# Altium PCB proc.PcbDoc
Units mm, origin at the board's own origin, x right, y up, seen from the top; angles counter-clockwise.
Board outline 21.5 x 24 mm, 4 copper layers (Top Layer, Layer 1, Layer 2, Bottom Layer), stack 0.603 mm thick; 32 components, 46 nets, 182 pads, 102 vias.
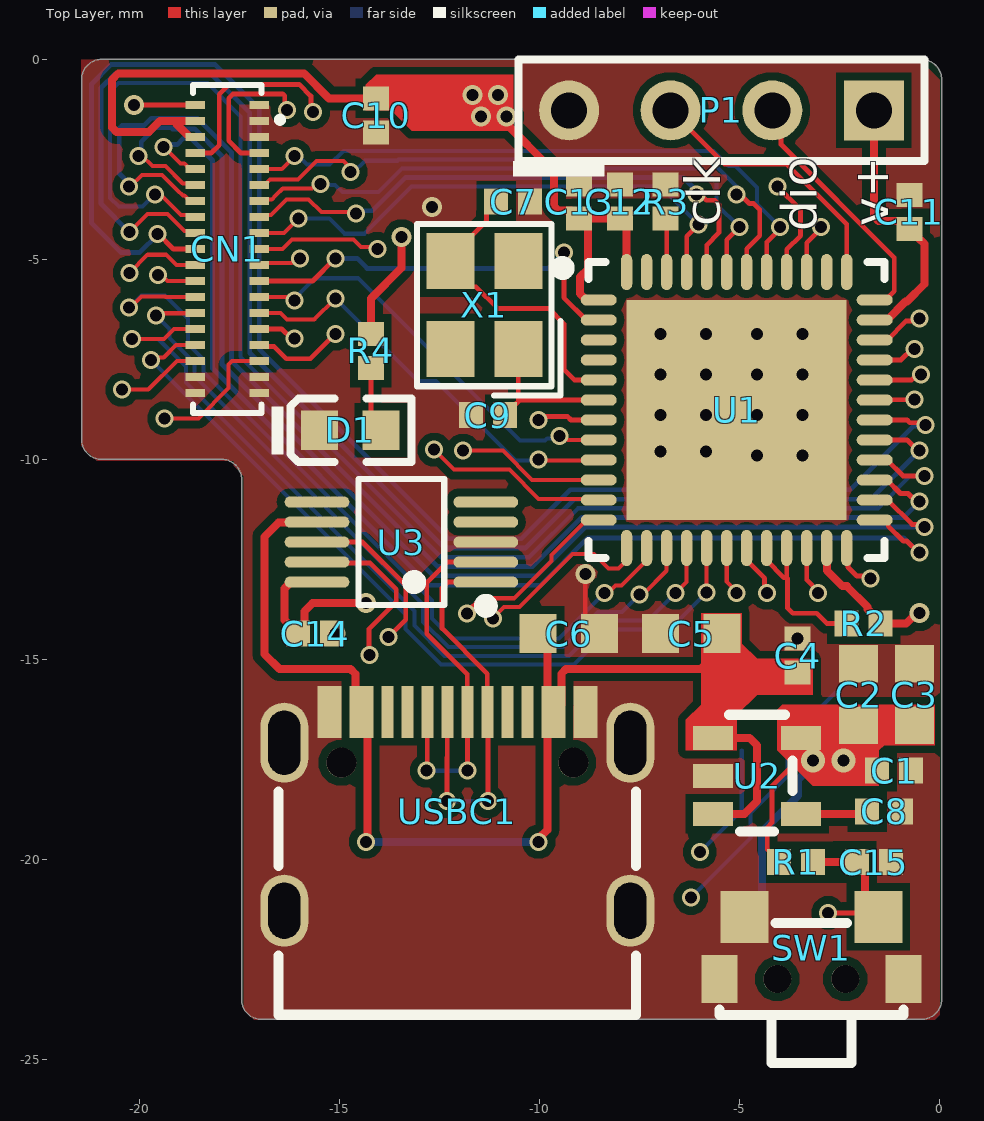
[diagram p0: Top Layer view]
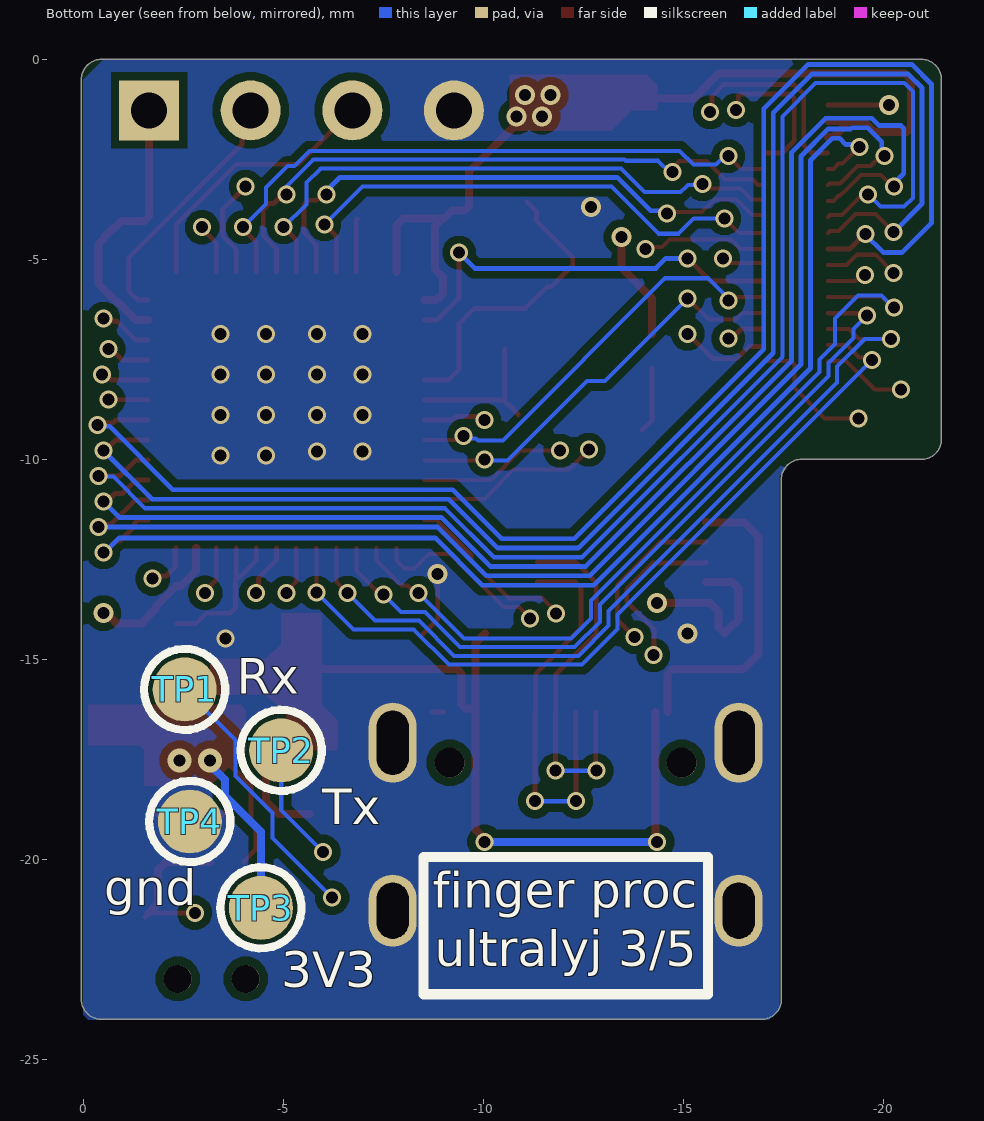
[diagram p1: Bottom Layer view, seen from below]
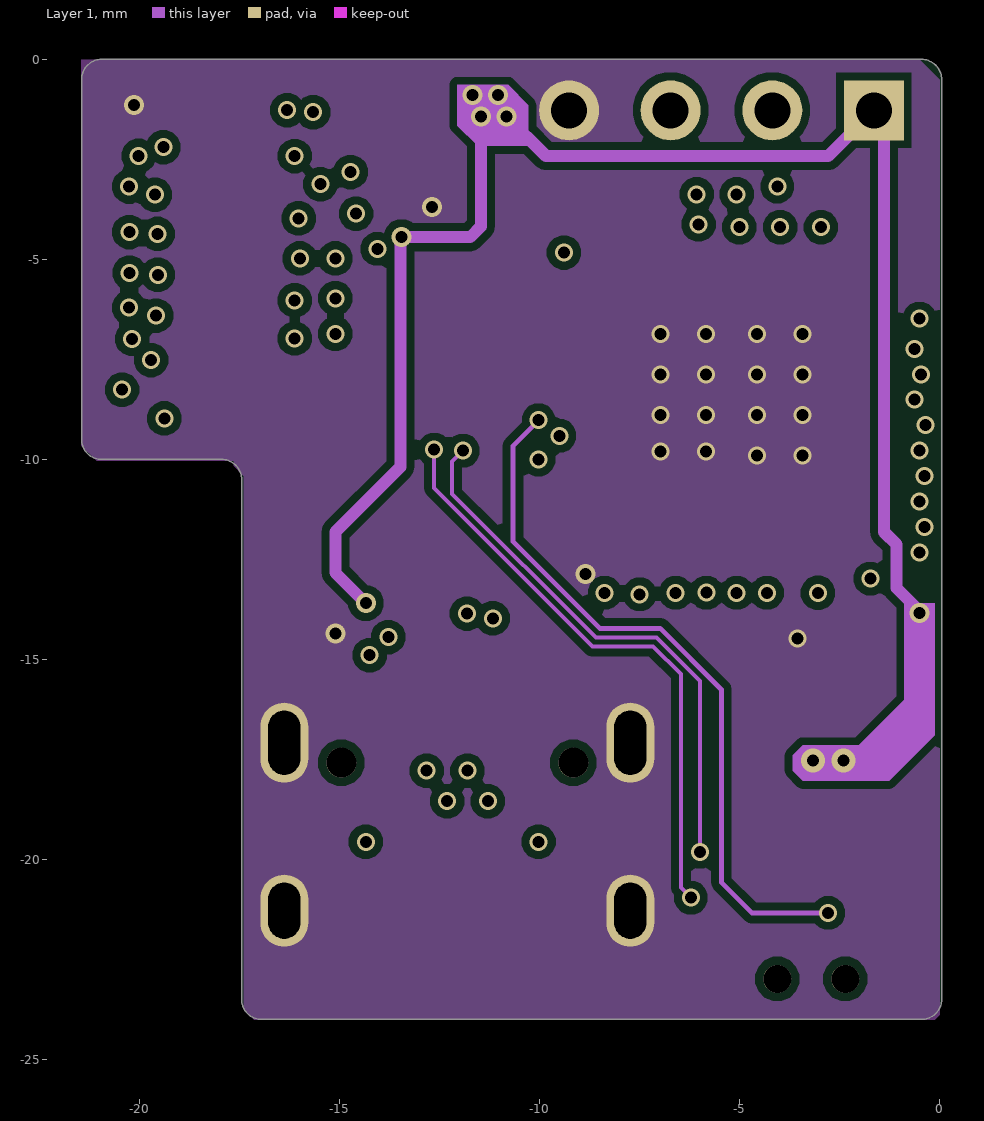
[diagram p2: Layer 1]
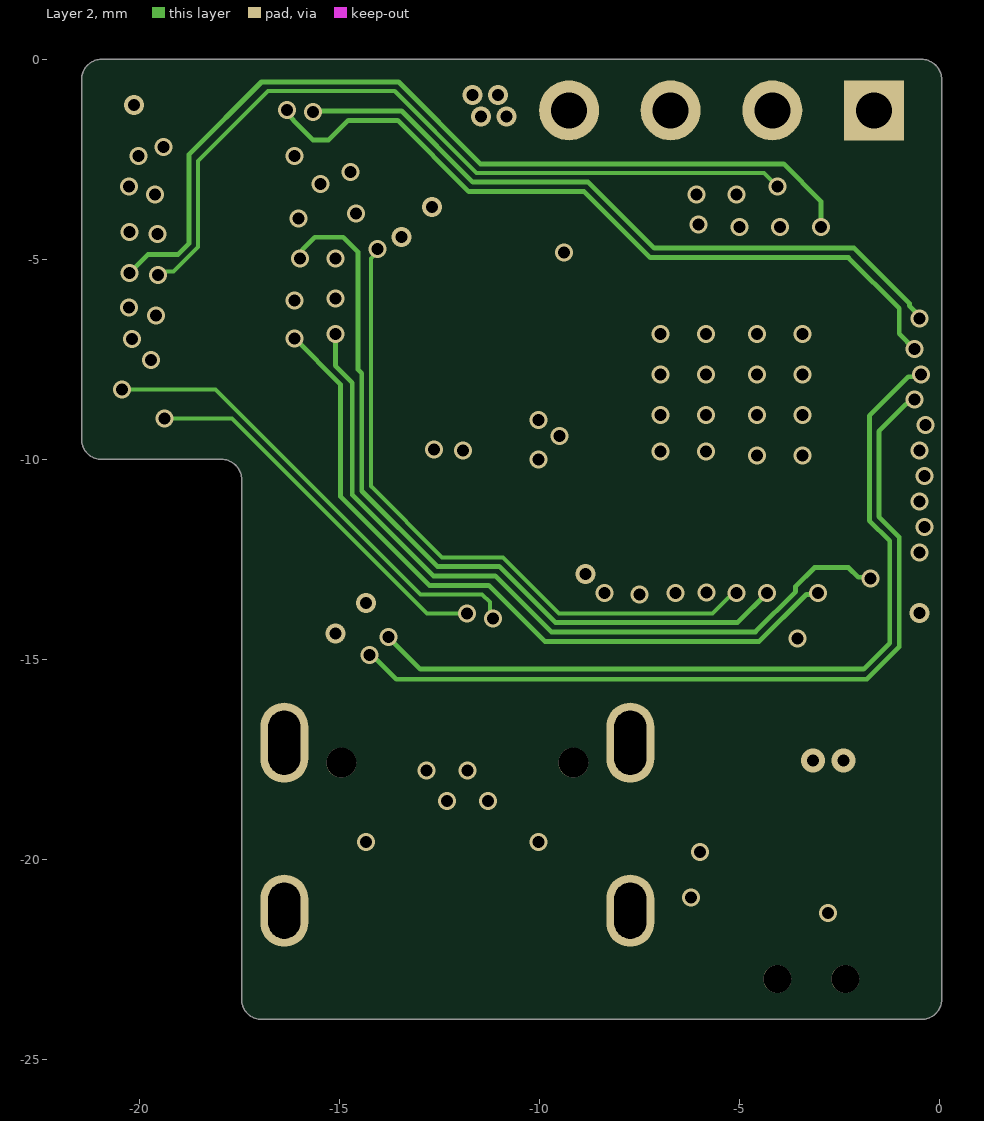
[diagram p3: Layer 2]
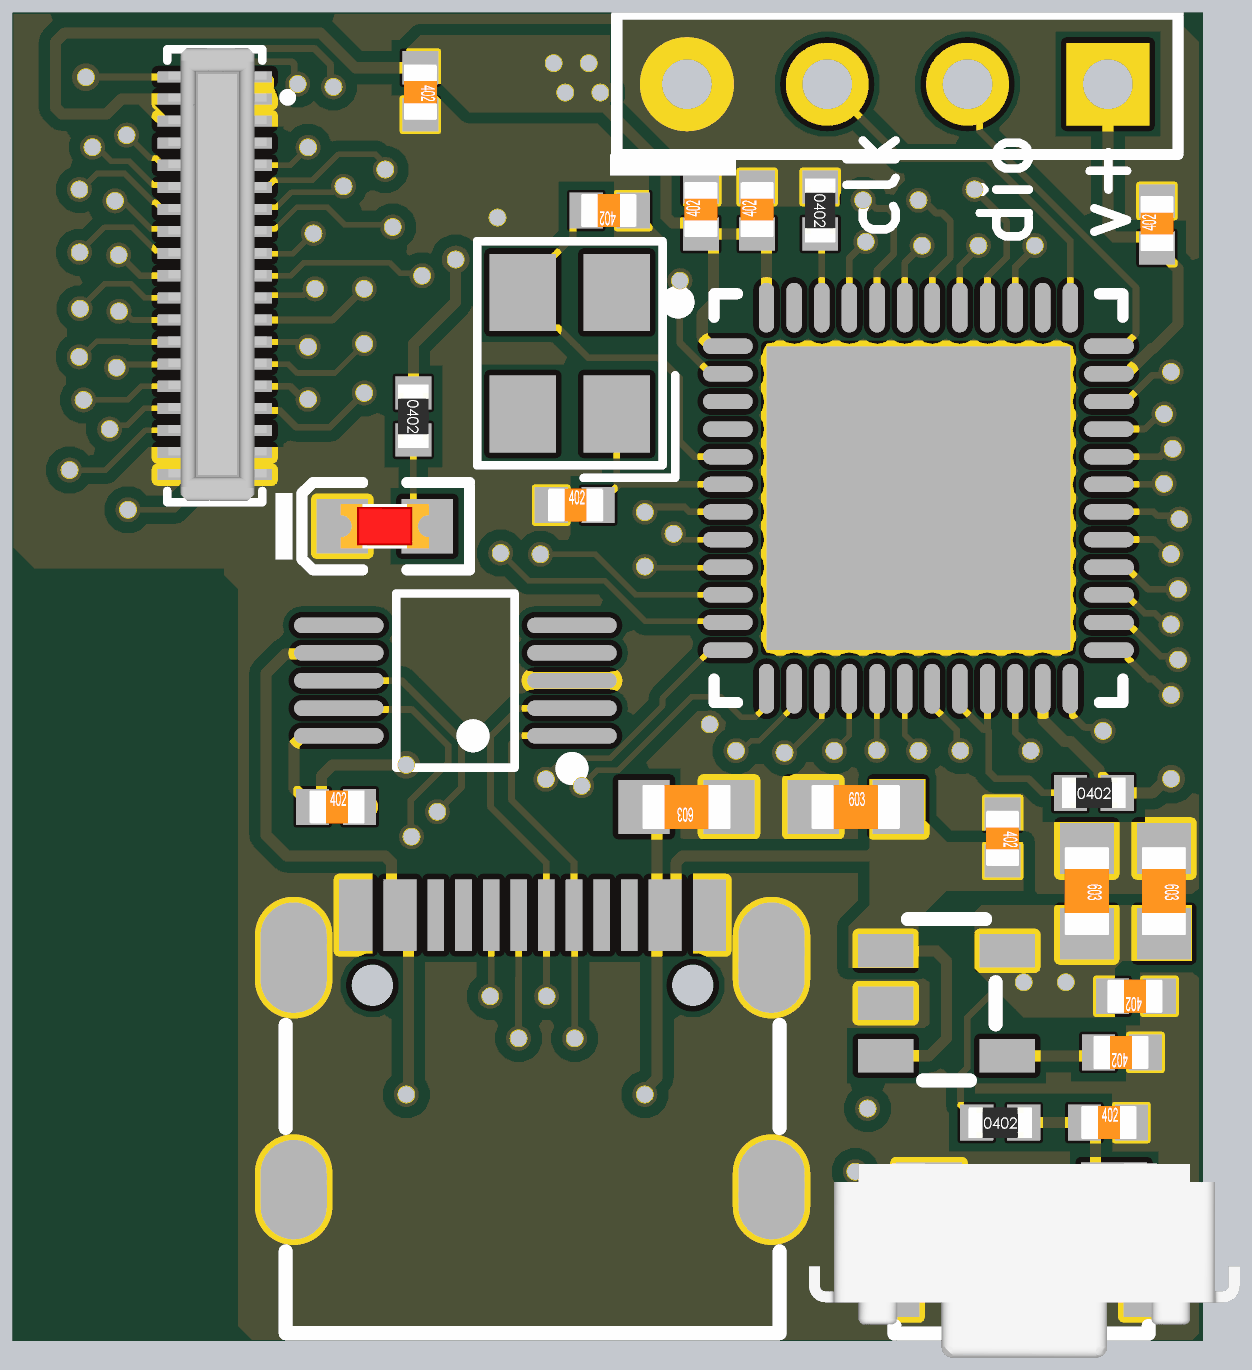
[diagram p4: 3D render of the assembled board from above, using the file's embedded part models]

## Layer stack, top to bottom
Top Solder: solder mask 0.0102, Solder Resist, Dk 3.5
Top Layer: signal copper 0.0356
Dielectric 2: prepreg 0.0711, PP-006, Dk 4.1
Layer 1: signal copper 0.035
Dielectric 1: dielectric 0.32, FR-4, Dk 4.8
Layer 2: signal copper 0.035
Dielectric 3: prepreg 0.0711, PP-006, Dk 4.1
Bottom Layer: signal copper 0.0356
Bottom Solder: solder mask 0.0102, Solder Resist, Dk 3.5

## Board outline
-20.957,-9.997 cw(c-20.957,-9.497) -21.457,-9.497 -21.457,-0.497 cw(c-20.957,-0.497) -20.957,0.003 -0.457,0.003 cw(c-0.457,-0.497) 0.043,-0.497 0.043,-23.497 cw(c-0.457,-23.497) -0.457,-23.997 -16.957,-23.997 cw(c-16.957,-23.497) -17.457,-23.497 -17.457,-10.497 ccw(c-17.957,-10.497) -17.957,-9.997

## Design rules (kind name [scope] priority, off if disabled: settings)
Clearance [All] p1: gap=0.2 ignorepadtopadclearanceinfootprint=TRUE except(0.117: Arc-Arc Arc-Track Arc-SMDPad Arc-THPad Arc-Text Arc-Hole Track-Track Track-SMDPad Track-THPad Track-Text Track-Hole SMDPad-SMDPad SMDPad-THPad SMDPad-Text SMDPad-Hole THPad-THPad THPad-Text THPad-Hole Fill-Text Fill-Hole Poly-Text Poly-Hole Region-Text Region-Hole Text-Text Text-Hole)
HoleSize [All] p1: absolutevalues=TRUE maxlimit=5 minlimit=0.025 maxpercent=80.000 minpercent=20.000
MinimumSolderMaskSliver [All] p1: minsoldermaskwidth=0
PolygonConnect [All] p1: connectstyle=Direct reliefconductorwidth=0.254 reliefentries=4 polygonreliefangle="90 Angle" airgapwidth=0.254
RoutingVias [All] p1: holewidth=0.3 width=0.45 viastyle="Through Hole" minholewidth=0.3 minwidth=0.45 maxholewidth=0.3 maxwidth=0.6
SilkToSilkClearance [All] p1: silktosilkclearance=0
SilkToSolderMaskClearance [IsPad] p1: minsilkscreentomaskgap=0 clearancetoexposedcopper=TRUE
SolderMaskExpansion [All] p1: expansion=0.102 istentingtop=FALSE
Width [All] p1: maxlimit=0.5 minlimit=0.102 preferedwidth=0.2
26 further rules are at their usual default settings.

## Components (designator, comment, footprint, x,y, rotation, side; value= is the part's Value field where it differs from the comment)
C1 "100nF (104) 10% 16V" LC-0402_C_NOSILK -1.143,-17.78 r180 top
C2 "10uF (106) 10% 10V" LC-0603_C_NOSILK -2.032,-15.875 r270 top
C3 "10uF (106) 10% 10V" LC-0603_C_NOSILK -0.635,-15.875 r270 top
C4 "100nF (104) 10% 16V" LC-0402_C_NOSILK -3.556,-14.903 r270 top
C5 "10uF (106) 10% 10V" LC-0603_C_NOSILK -6.215,-14.351 r0 top
C6 "10uF (106) 10% 10V" LC-0603_C_NOSILK -9.279,-14.351 r180 top
C7 "10pF (100) 5% 50V" LC-0402_C_NOSILK -10.668,-3.556 r180 top
C8 "100nF (104) 10% 16V" LC-0402_C_NOSILK -1.397,-18.796 r180 top
C9 "10pF (100) 5% 50V" LC-0402_C_NOSILK -11.303,-8.89 r0 top
C10 "100nF (104) 10% 16V" LC-0402_C_NOSILK -14.097,-1.397 r270 top
C11 "100nF (104) 10% 16V" LC-0402_C_NOSILK -0.762,-3.81 r90 top
C12 "100nF (104) 10% 16V" LC-0402_C_NOSILK -8.001,-3.556 r90 top
C13 "100nF (104) 10% 16V" LC-0402_C_NOSILK -9.017,-3.556 r90 top
C14 "100nF (104) 10% 16V" LC-0402_C_NOSILK -15.621,-14.351 r0 top
C15 "100nF (104) 10% 16V" LC-0402_C_NOSILK -1.651,-20.066 r0 top
CN1 "BM20B(0.8)-34DP-0.4V(51)" CONN-SMD_34P-P0.40_BM20B-0.8-34DP-0.4V-51 -17.818,-4.737 r90 top
D1 "黄灯 0603" 0603_LED_S1 -14.74,-9.271 r0 top
P1 "Header 4" HDR1X4 -1.651,-1.27 r180 top
R1 "10KΩ (1002) ±1%" LC-0402_R_NOSILK -3.6,-20.066 r0 top
R2 "0Ω (0R0) ±1%" LC-0402_R_NOSILK -1.905,-14.097 r0 top
R3 "10KΩ (1002) ±1%" LC-0402_R_NOSILK -6.858,-3.556 r270 top
R4 "10KΩ (1002) ±1%" LC-0402_R_NOSILK -14.224,-7.283 r270 top
SW1 "TS24CA" SW-SMD_TS24CA -3.214,-22.212 r180 top
TP1 "TEST" "TEST 1.6" -2.54,-15.748 r180 bottom
TP2 "TEST" "TEST 1.6" -4.953,-17.272 r180 bottom
TP3 "TEST" "TEST 1.6" -4.445,-21.209 r180 bottom
TP4 "TEST" "TEST 1.6" -2.667,-19.05 r180 bottom
U1 "STM32G431CBU6" UFQFPN-48_L7.0-W7.0-P0.50-BL-EP -5.08,-8.763 r270 top
U2 "SPX3819M5-3.3" SOT-23-5_L2.9-W1.6-P0.95-LS2.8-BL -4.572,-17.907 r270 top
U3 "CH340E" MSOP-10_L3.0-W3.0-P0.50-LS5.0-BL -13.462,-12.065 r90 top
USBC1 "TYPE-C-31-M-12" USB-C_SMD-TYPE-C-31-M-12 -12.065,-18.796 r0 top
X1 "8MHz" CRYSTAL-SMD_4P-L3.2-W2.5-BL -11.391,-6.139 r90 top

## Footprints (in the part's own frame and the unit in brackets; to place one, negate y for a bottom-side part, rotate by r counter-clockwise, add the part's x,y. Pads: shape width x height; smd on the part's side, far side on the other; paste and mask are expansions set on the pad)
0603_LED_S1 [mm]
  rect 0.93x0.98 smd: A(0.77,0) K(-0.77,0)
  silkscreen extent -1.98,-0.79 1.54,0.79, body extent -0.8,-0.4 0.8,0.4, height 0.6
CONN-SMD_34P-P0.40_BM20B-0.8-34DP-0.4V-51 [mm]
  rect 0.2x0.48 smd: 1(3.2,-0.8) 2(3.2,0.8) 3(2.8,-0.8) 4(2.8,0.8) 5(2.4,-0.8) 6(2.4,0.8) 7(2,-0.8) 8(2,0.8) 9(1.6,-0.8) 10(1.6,0.8) 11(1.2,-0.8) 12(1.2,0.8) 13(0.8,-0.8) 14(0.8,0.8) 15(0.4,-0.8) 16(0.4,0.8) 17(0,-0.8) 18(0,0.8) 19(-0.4,-0.8) 20(-0.4,0.8) 21(-0.8,-0.8) 22(-0.8,0.8) 23(-1.2,-0.8) 24(-1.2,0.8) 25(-1.6,-0.8) 26(-1.6,0.8) 27(-2,-0.8) 28(-2,0.8) 29(-2.4,-0.8) 30(-2.4,0.8) 31(-2.8,-0.8) 32(-2.8,0.8) 33(-3.2,-0.8) 34(-3.2,0.8) 35(-3.6,-0.8) 36(-3.6,0.8) 37(3.6,-0.8) 38(3.6,0.8)
  silkscreen extent -4.1,-1.4 4.1,0.86, body extent -4.07,-0.94 4.13,0.84, height 0.63
CRYSTAL-SMD_4P-L3.2-W2.5-BL [mm]
  rect 1.4x1.2 smd: 1(-1.1,-0.85) 2(1.1,-0.85) 3(1.1,0.85) 4(-1.1,0.85)
  silkscreen extent -2.26,-1.91 2.03,1.68, body extent -1.55,-1.25 1.65,1.25, height 0.6
HDR1X4 [mm] "Connector; Header; 4 Position"
  rect 1.5x1.5 hole 0.9: 1(0,0)
  round 1.5 hole 0.9: 2(2.54,0) 3(5.08,0) 4(7.62,0)
  silkscreen extent -1.27,-1.27 8.89,1.27
LC-0402_C_NOSILK [mm]
  rect 0.6x0.65 smd mask+0.051: 1(-0.425,0) 2(0.425,0)
  body extent -0.48,-0.3 0.52,0.3, height 0.2
LC-0402_R_NOSILK [mm]
  rect 0.6x0.65 smd mask+0.051: 1(-0.425,0) 2(0.425,0)
  body extent -0.57,-0.27 0.58,0.28, height 0.41
LC-0603_C_NOSILK [mm]
  rect 0.93x0.98 smd: 1(-0.77,0) 2(0.77,0)
  body extent -0.8,-0.4 0.8,0.4, height 0.3
MSOP-10_L3.0-W3.0-P0.50-LS5.0-BL [mm]
  oval 0.28x1.62 smd: 1(-1,-2.11) 2(-0.5,-2.11) 3(0,-2.11) 4(0.5,-2.11) 5(1,-2.11) 6(1,2.11) 7(0.5,2.11) 8(0,2.11) 9(-0.5,2.11) 10(-1,2.11)
  silkscreen extent -1.74,-2.26 1.58,1.07, body extent -1.5,-2.44 1.5,2.59, height 1.05
SOT-23-5_L2.9-W1.6-P0.95-LS2.8-BL [mm]
  rect 0.6x1 smd: 1(-0.95,-1.1) 2(0,-1.1) 3(0.95,-1.1) 4(0.95,1.1) 5(-0.95,1.1)
  silkscreen extent -1.52,-0.7 1.4,0.89, body extent -1.47,-1.25 1.53,1.25, height 1.01
SW-SMD_TS24CA [mm]
  rect 0.9x1.2 smd: 1(-2.3,0.775) 2(2.3,0.775)
  rect 1.2x1.3 smd: 3(-1.675,-0.775) 4(1.675,-0.775)
  round 0.7 hole 0.7 unplated: ""(-0.85,0.775) ""(0.85,0.775)
  silkscreen extent -2.3,-0.62 2.3,2.88, body extent -3.95,-1.4 3.85,2.11, height 3.5
"TEST 1.6" [mm] "测试点1.6mm"
  round 1.6 smd paste-1.6: 1(0,0)
  silkscreen extent -1.02,-1.02 1.01,1.02
UFQFPN-48_L7.0-W7.0-P0.50-BL-EP [mm]
  oval 0.28x0.9 smd: 1(-2.751,-3.449) 2(-2.25,-3.449) 3(-1.75,-3.449) 4(-1.25,-3.449) 5(-0.749,-3.449) 6(-0.249,-3.449) 7(0.249,-3.449) 8(0.749,-3.449) 9(1.25,-3.449) 10(1.75,-3.449) 11(2.251,-3.449) 12(2.751,-3.449) 25(2.751,3.449) 26(2.251,3.449) 27(1.75,3.449) 28(1.25,3.449) 29(0.749,3.449) 30(0.249,3.449) 31(-0.249,3.449) 32(-0.749,3.449) 33(-1.25,3.449) 34(-1.75,3.449) 35(-2.25,3.449) 36(-2.751,3.449)
  oval 0.9x0.28 smd: 13(3.449,-2.751) 14(3.449,-2.25) 15(3.449,-1.75) 16(3.449,-1.25) 17(3.449,-0.749) 18(3.449,-0.249) 19(3.449,0.249) 20(3.449,0.749) 21(3.449,1.25) 22(3.449,1.75) 23(3.449,2.25) 24(3.449,2.751) 37(-3.449,2.751) 38(-3.449,2.25) 39(-3.449,1.75) 40(-3.449,1.25) 41(-3.449,0.749) 42(-3.449,0.249) 43(-3.449,-0.249) 44(-3.449,-0.749) 45(-3.449,-1.25) 46(-3.449,-1.75) 47(-3.449,-2.25) 48(-3.449,-2.751)
  rect 5.5x5.5 smd: 49(0,0)
  silkscreen extent -3.7,-4.5 3.7,3.7, body extent -3.54,-3.51 3.48,3.51, height 0.78
USB-C_SMD-TYPE-C-31-M-12 [mm]
  oval 1.2x2 hole 0.8 slot 1.6 at 90 deg: 0(-4.325,1.716) 1(4.325,1.716)
  oval 1.2x1.8 hole 0.8 slot 1.4 at 90 deg: 2(4.325,-2.484) 3(-4.325,-2.484)
  rect 0.3x1.3 smd: A1(-3.35,2.484) A4(-2.55,2.484) A5(-1.25,2.484) A6(-0.25,2.484) A7(0.25,2.484) A8(1.25,2.484) A9(2.55,2.484) A12(3.35,2.484) B1(3.05,2.484) B4(2.25,2.484) B5(1.75,2.484) B6(0.75,2.484) B7(-0.75,2.484) B8(-1.75,2.484) B9(-2.25,2.484) B12(-3.05,2.484)
  round 0.75 hole 0.75 unplated: ""(-2.9,1.216) ""(2.9,1.216)
  silkscreen extent -4.47,-5.08 4.47,0.5, body extent -4.55,-5.19 4.39,2.71, height 3.13

## Part data
C1 C4 C8 C10 C11 C12 C13 C14 C15: library part "0402 100nF (104) 10% 16V", "贴片电容", Package=0402, SuppliersPartNumber=C1525, ComponentLink1Description=供应商链接, ComponentLink1URL=http://www.szlcsc.com/product/details_1877.html, Supplier=LC
C2 C3 C5 C6: library part "0603 10uF (106) 10% 10V", "贴片电容", Package=0603, SuppliersPartNumber=C19702, ComponentLink1Description=供应商链接, ComponentLink1URL=http://www.szlcsc.com/product/details_20411.html, Supplier=LC
C7 C9: library part "0402 10pF (100) 5% 50V", "贴片电容", Package=0402, SuppliersPartNumber=C32949, ComponentLink1Description=供应商链接, ComponentLink1URL=http://www.szlcsc.com/product/details_33914.html, Supplier=LC
CN1: "0.4mm BTB连接器-34P 公", BOM_JLCPCB Part Class="Extended Part", BOM_Manufacturer=HRS(广濑), BOM_Manufacturer Part=BM20B(0.8)-34DP-0.4V(51), BOM_Supplier=LCSC, BOM_Supplier Part=C424540, Contributor=LCSC, spicePre=C, spiceSymbolName=BM20B(0.8)-34DP-0.4V(51)
D1: library part "0603 黄灯", "发光二极管", Package=0603, SuppliersPartNumber=C72038, ComponentLink1Description=供应商链接, ComponentLink1URL=http://www.szlcsc.com/product/details_73147.html, Supplier=LC
P1: "Header, 4-Pin", LatestRevisionDate=17-Jul-2002, LatestRevisionNote="Re-released for DXP Platform.", Publisher="Altium Limited"
R1 R3 R4: library part "0402 10KΩ (1002) 1%", "贴片电阻", Package=0402, SuppliersPartNumber=C25744, ComponentLink1Description=供应商链接, ComponentLink1URL=http://www.szlcsc.com/product/details_26487.html, Supplier=LC
R2: library part "0402 0Ω (0R0) 1%", "贴片电阻", Package=0402, SuppliersPartNumber=C17168, ComponentLink1Description=供应商链接, ComponentLink1URL=http://www.szlcsc.com/product/details_17853.html, Supplier=LC
SW1: "按键", BOM_JLCPCB Part Class="Extended Part", BOM_Manufacturer="SHOU HAN(首韩)", BOM_Manufacturer Part=TS24CA, BOM_Supplier=LCSC, BOM_Supplier Part=C393942, Contributor=LCSC, spicePre=S, spiceSymbolName=TS24CA
TP1 TP2 TP3 TP4: "测试点", BOM名称=测试点, 学习资源=www.ooocke.com, 版权归属=源创客
U1: BOM_JLCPCB Part Class="Extended Part", BOM_Manufacturer=ST(意法半导体), BOM_Manufacturer Part=STM32G431CBU6, BOM_Supplier=LCSC, BOM_Supplier Part=C529356, Contributor=LCSC, spicePre=U, spiceSymbolName=STM32G431CBU6
U2: "Vin=16V Vout=3.3V 500mA LDO", BOM_JLCPCB Part Class="Extended Part", BOM_Manufacturer=null, BOM_Manufacturer Part=SPX3819M5-3.3, BOM_Supplier=LCSC, BOM_Supplier Part=C9900018941, Contributor=lcsc, spicePre=U, spiceSymbolName=SPX3819M5-3.3
U3: "ttl-usb", BOM_JLCPCB Part Class="Extended Part", BOM_Manufacturer=WCH(南京沁恒), BOM_Manufacturer Part=CH340E, BOM_Supplier=LCSC, BOM_Supplier Part=C99652, spicePre=U, spiceSymbolName=CH340E
USBC1: "贴片type-c母座", BOM_JLCPCB Part Class="Extended Part", BOM_Manufacturer=韩国韩荣, BOM_Manufacturer Part=TYPE-C-31-M-12, BOM_Supplier=LCSC, BOM_Supplier Part=C165948, Contributor=LCSC, spicePre=U, spiceSymbolName=TYPE-C-31-M-12
X1: BOM_Manufacturer=JWT(晶威特), BOM_Manufacturer Part=CF4008M00012T8188031, BOM_Supplier=LCSC, BOM_Supplier Part=C2933033, Contributor=LCSC, nameAlias=Frequency, spicePre=X, spiceSymbolName=CF4008M00012T8188031

## Via types
v1: diameter 0.45, hole 0.3, Top Layer to Bottom Layer, tented both sides, 89 vias
v2: diameter 0.5, hole 0.3, Top Layer to Bottom Layer, tented both sides, 11 vias
v3: diameter 0.6, hole 0.3, Top Layer to Bottom Layer, tented both sides, 2 vias

## Nets (pads, with @x,y where several pads share a name; then routed paths per layer and width w, separated by ;. In a path a pad name is that pad's centre, name@x,y a point inside that pad or via, vN(x,y) a via of type N, cw(c..) or ccw(c..) an arc to the next point about the centre after c; other vN are vias at no path point)
BOOT0: R3.2 U1.46 | length 1.3
  Top Layer w0.12: R3.2 -6.83,-4.009 U1.46
GND: C1.1 C2.1 C3.1 C4.1 C5.1 C6.1 C7.1 C8.1 C9.1 C10.2 C11.2 C12.2 C13.2 C14.2 C15.2 CN1.1 CN1.3 CN1.33 CN1.34 CN1.35 CN1.36 CN1.37 CN1.38 D1.K P1.4 R3.1 SW1.1 SW1.2 SW1.4 TP4.1 U1.49 U2.2 U3.3 USBC1.0 USBC1.1 USBC1.2 USBC1.3 USBC1.A1 USBC1.A12 USBC1.B1 USBC1.B12 | length 3.5
  Top Layer w0.12: v2(-20.151,-1.143) -20.148,-1.14 -18.621,-1.14 CN1.38 CN1.38@-18.624,-1.131 ; USBC1.B1 USBC1.A12 ; v2(-8.859,-12.858) -8.867,-12.865 -8.867,-13.993 C6.1
  other v1: -3.556,-14.478 -4.572,-9.906 -3.429,-9.906 -6.985,-9.806 -5.842,-9.806 -6.985,-8.89 -5.842,-8.89 -4.572,-8.89 -3.429,-8.89 -6.985,-7.874 -5.842,-7.874 -4.572,-7.874 -3.429,-7.874 -6.985,-6.858 -5.842,-6.858 -4.572,-6.858 -3.429,-6.858
  other v2: -15.113,-14.351 -12.7,-3.683
I2C0_SCL: CN1.5 U1.33 | length 23.9
  Top Layer w0.12: CN1.5 -17.475,-2.337 -17.78,-2.032 -17.78,-0.97 -17.67,-0.86 -16.43,-0.86 -16.38,-0.909 -16.38,-1.203 v1(-16.317,-1.266) ; U1.33 -1.627,-7.51 -0.972,-7.51 -0.701,-7.239 v1(-0.635,-7.239)
  Layer 2 w0.12: v1(-16.317,-1.266) -16.317,-1.356 -16.154,-1.518 -16.154,-1.535 -15.68,-2.009 -15.278,-2.009 -14.793,-1.524 -13.552,-1.524 -11.774,-3.302 -8.89,-3.302 -7.239,-4.953 -2.286,-4.953 -1.016,-6.223 -1.016,-6.858 v1(-0.635,-7.239)
I2C0_SDA: CN1.6 U1.34 | length 23.6
  Top Layer w0.12: CN1.6 -18.216,-2.337 -18.017,-2.138 -18.017,-0.872 -17.768,-0.623 -17.43,-0.623 -16.014,-0.623 -15.724,-0.913 -15.724,-1.264 v1(-15.669,-1.318) ; U1.34 -1.321,-7.013 -0.848,-6.54 -0.571,-6.54 v1(-0.508,-6.477)
  Layer 2 w0.12: v1(-15.669,-1.318) -15.638,-1.287 -13.454,-1.287 -11.676,-3.065 -8.792,-3.065 -7.141,-4.716 -2.142,-4.716 -0.762,-6.096 -0.762,-6.158 -0.508,-6.413 v1(-0.508,-6.477)
I2C1_SCL: CN1.31 U1.12 | length 17.3
  Top Layer w0.102: v1(-19.389,-8.973) -18.539,-8.973 -17.78,-8.214 -17.78,-7.62 -17.697,-7.537 CN1.31 ; v1(-11.823,-13.851) -11.823,-13.804 -11.489,-13.469 -10.651,-13.469 -9.714,-12.532 -9.714,-12.389 -8.839,-11.514 U1.12
  Layer 2 w0.102: v1(-19.389,-8.973) -17.697,-8.973 -12.819,-13.851 v1(-11.823,-13.851)
I2C1_SDA: CN1.32 U1.13 | length 18.5
  Top Layer w0.102: v1(-20.447,-8.255) -19.791,-8.255 -19.073,-7.537 CN1.32 ; v1(-11.176,-13.97) -10.894,-13.688 -10.513,-13.688 -9.182,-12.357 -8.652,-12.357 -8.28,-12.729 -8.038,-12.729 -7.831,-12.522 U1.13
  Layer 2 w0.102: v1(-20.447,-8.255) -18.106,-8.255 -12.985,-13.376 -11.443,-13.376 -11.251,-13.568 -11.251,-13.895 v1(-11.176,-13.97)
LED_P0: CN1.23 U1.8 | length 10.6
  Top Layer w0.102: CN1.23 -16.308,-5.937 -16.223,-6.022 v1(-16.129,-6.022) ; v1(-9.513,-9.407) -9.422,-9.407 -9.316,-9.512 U1.8
  Bottom Layer w0.102: v1(-16.129,-6.022) -16.129,-5.969 -15.628,-5.468 -14.543,-5.468 -12.519,-7.492 -12.519,-7.501 -10.494,-9.525 -9.868,-9.525 -9.817,-9.474 -9.58,-9.474 v1(-9.513,-9.407)
LED_P1: CN1.25 U1.9 | length 10.5
  Top Layer w0.102: CN1.25 -16.487,-6.337 -16.326,-6.498 -15.642,-6.498 v1(-15.113,-5.969) ; v1(-10.033,-10.001) -10.011,-10.023 -8.54,-10.023 U1.9
  Bottom Layer w0.102: v1(-15.113,-5.969) -13.046,-8.036 -12.598,-8.036 -10.608,-10.026 -10.058,-10.026 v1(-10.033,-10.001)
LED_P2: CN1.27 U1.22 | length 20.6
  Top Layer w0.12: CN1.27 -16.455,-6.737 -16.218,-6.974 v1(-16.129,-6.974) ; U1.22 -3.33,-13.009 -3.048,-13.291 v1(-3.048,-13.335)
  Layer 2 w0.12: v1(-16.129,-6.974) -14.986,-8.117 -14.986,-10.924 -12.762,-13.148 -11.277,-13.148 -9.877,-14.548 -4.515,-14.548 -3.341,-13.374 -3.087,-13.374 v1(-3.048,-13.335)
LED_P3: CN1.29 U1.24 | length 22.9
  Top Layer w0.12: CN1.29 -16.978,-7.177 -16.644,-7.177 -16.34,-7.481 -15.736,-7.481 v1(-15.113,-6.858) ; U1.24 -2.299,-12.243 -2.299,-12.687 -2.072,-12.914 -1.801,-12.914 v1(-1.738,-12.977)
  Layer 2 w0.12: v1(-15.113,-6.858) -15.113,-7.654 -14.689,-8.079 -14.689,-10.886 -12.664,-12.911 -11.115,-12.911 -9.714,-14.311 -4.613,-14.311 -3.608,-13.306 -3.608,-13.174 -3.134,-12.7 -2.286,-12.7 -2.04,-12.946 -1.769,-12.946 v1(-1.738,-12.977)
LED_P4: CN1.24 U1.14 | length 20.3
  Top Layer w0.102: v1(-20.271,-6.206) -20.237,-6.206 -19.956,-5.925 -19.367,-5.925 -19.355,-5.937 CN1.24 ; v1(-8.382,-13.335) -8.288,-13.335 -8.104,-13.152 -7.96,-13.152 -7.33,-12.522 U1.14
  Bottom Layer w0.102: v1(-20.271,-6.206) -19.965,-5.9 -19.373,-5.9 -18.796,-6.477 -18.796,-7.112 -18.412,-7.496 -18.412,-7.817 -12.7,-13.529 -12.7,-13.97 -12.199,-14.471 -9.518,-14.471 v1(-8.382,-13.335)
LED_P5: CN1.26 U1.15 | length 19.1
  Top Layer w0.102: v1(-19.595,-6.401) -19.538,-6.343 -18.625,-6.343 CN1.26 ; v1(-7.505,-13.37) -7.419,-13.37 -6.83,-12.781 U1.15
  Bottom Layer w0.102: v1(-19.595,-6.401) -19.255,-6.741 -19.255,-6.963 -18.631,-7.586 -18.631,-7.913 -12.919,-13.626 -12.919,-14.061 -12.29,-14.689 -9.427,-14.689 -8.549,-13.811 -7.946,-13.811 v1(-7.505,-13.37)
LED_P6: CN1.28 U1.16 | length 20.9
  Top Layer w0.102: v1(-20.193,-6.985) -19.396,-6.985 -19.148,-6.737 CN1.28 ; v1(-6.604,-13.335) -6.33,-13.061 U1.16
  Bottom Layer w0.102: v1(-20.193,-6.985) -19.541,-6.985 -18.85,-7.677 -18.85,-8.076 -13.137,-13.788 -13.137,-14.151 -12.38,-14.908 -9.271,-14.908 -8.392,-14.029 -7.298,-14.029 v1(-6.604,-13.335)
LED_P7: CN1.30 U1.17 | length 20.4
  Top Layer w0.102: v1(-19.722,-7.513) -19.655,-7.446 -19.403,-7.446 -19.094,-7.137 CN1.30 ; v1(-5.836,-13.329) -5.836,-12.219 U1.17
  Bottom Layer w0.102: v1(-19.722,-7.513) -13.356,-13.879 -13.356,-14.242 -12.471,-15.127 -9.144,-15.127 -8.265,-14.248 -6.755,-14.248 v1(-5.836,-13.329)
MAG0_INT: CN1.7 U1.41 | length 15.7
  Top Layer w0.102: CN1.7 -16.453,-2.737 v1(-16.129,-2.413)
  Top Layer w0.12: U1.41 -4.331,-4.564 -3.994,-4.227 v1(-3.994,-4.191)
  Bottom Layer w0.102: v1(-16.129,-2.413) -16.035,-2.413 -15.819,-2.629 -15.255,-2.629 -14.909,-2.282 -5.664,-2.282 -5.279,-2.667 -5.111,-2.667 -4.575,-3.203 -4.575,-3.61 v1(-3.994,-4.191)
MAG0_TRIG: CN1.8 U1.25 | length 29.8
  Top Layer w0.102: v1(-19.415,-2.191) -19.4,-2.191 -18.986,-2.605 -18.89,-2.605 -18.758,-2.737 CN1.8
  Top Layer w0.12: U1.25 -1.364,-11.514 -1.29,-11.588 -1.29,-11.664 -0.917,-12.037 -0.832,-12.037 -0.545,-12.324 v1(-0.507,-12.324)
  Bottom Layer w0.12: v1(-19.415,-2.191) -19.352,-2.128 -19.071,-2.128 -18.914,-1.971 -18.73,-1.971 -18.185,-2.516 -18.185,-7.722 -12.762,-13.145 -9.982,-13.145 -8.799,-11.962 -0.905,-11.962 -0.542,-12.324 v1(-0.507,-12.324)
MAG1_INT: CN1.9 U1.42 | length 15.4
  Top Layer w0.102: CN1.9 -16.878,-3.137 -16.746,-3.005 -16.048,-3.005 -15.583,-2.54 -14.908,-2.54 -14.848,-2.6 -14.848,-2.603 -14.737,-2.714 -14.732,-2.714 v1(-14.732,-2.814)
  Top Layer w0.12: v1(-5.08,-3.371) -4.991,-3.371 -4.76,-3.602 -4.653,-3.602 -4.504,-3.751 -4.504,-4.402 -4.831,-4.729 U1.42
  Bottom Layer w0.102: v1(-14.732,-2.814) -14.654,-2.814 -14.372,-2.531 -13.566,-2.531 -13.536,-2.501 -5.754,-2.501 -5.08,-3.175 v1(-5.08,-3.371)
MAG1_TRIG: CN1.10 U1.26 | length 31.6
  Top Layer w0.102: v1(-20.031,-2.41) -19.942,-2.41 -19.685,-2.667 -19.356,-2.667 -18.928,-3.095 -18.66,-3.095 CN1.10
  Top Layer w0.12: U1.26 -1.305,-11.014 -0.696,-11.623 -0.444,-11.623 v1(-0.381,-11.686)
  Bottom Layer w0.12: v1(-20.031,-2.41) -19.968,-2.347 -19.968,-2.058 -19.616,-1.706 -19.214,-1.706 -19.187,-1.734 -18.632,-1.734 -17.948,-2.418 -17.948,-7.624 -12.663,-12.908 -10.081,-12.908 -8.856,-11.684 -0.383,-11.684 v1(-0.381,-11.686)
MAG2_INT: CN1.11 U1.43 | length 14.7
  Top Layer w0.102: CN1.11 -16.98,-3.499 -16.703,-3.499 -16.609,-3.405 -16.606,-3.405 -16.429,-3.228 -15.693,-3.228 -15.582,-3.117 v1(-15.487,-3.117)
  Top Layer w0.12: U1.43 -5.329,-4.506 v1(-5.014,-4.191)
  Bottom Layer w0.102: v1(-15.487,-3.117) -15.471,-3.134 -15.123,-3.134 -15.072,-3.185 -15.069,-3.185 -14.939,-3.314 -14.04,-3.314 -13.445,-2.719 -5.942,-2.719 -5.581,-3.08 -5.581,-3.624 v1(-5.014,-4.191)
MAG2_TRIG: CN1.12 U1.27 | length 33.4
  Top Layer w0.102: v1(-20.268,-3.175) -20.242,-3.175 -19.952,-2.886 -19.447,-2.886 -19.057,-3.275 -18.928,-3.405 -18.89,-3.405 -18.758,-3.537 CN1.12
  Top Layer w0.12: U1.27 -1.321,-10.513 -0.985,-10.849 -0.797,-10.849 -0.597,-11.049 v1(-0.508,-11.049)
  Bottom Layer w0.12: v1(-20.268,-3.175) -20.268,-3.098 -20.516,-2.85 -20.516,-1.723 -20.446,-1.653 -19.898,-1.653 -19.714,-1.469 -18.561,-1.469 -17.711,-2.32 -17.711,-3.848 -17.711,-7.526 -12.565,-12.671 -10.179,-12.671 -8.955,-11.447 -0.906,-11.447 v1(-0.508,-11.049)
MAG3_INT: CN1.13 U1.44 | length 14.3
  Top Layer w0.102: CN1.13 -16.969,-3.888 -16.725,-3.888 -16.334,-3.497 -15.781,-3.497 -15.462,-3.815 -14.637,-3.815 v1(-14.597,-3.855)
  Top Layer w0.12: v1(-6.082,-3.371) -5.992,-3.371 -5.843,-3.52 -5.624,-3.52 -5.524,-3.62 -5.524,-4.333 -5.829,-4.638 U1.44
  Bottom Layer w0.12: v1(-14.597,-3.855) -14.525,-3.782 -14.186,-3.782 -13.351,-2.947 -6.422,-2.947 -6.082,-3.288 v1(-6.082,-3.371)
MAG3_TRIG: CN1.14 U1.28 | length 36.4
  Top Layer w0.102: v1(-19.624,-3.381) -19.578,-3.427 -19.433,-3.427 -18.972,-3.888 -18.667,-3.888 CN1.14
  Top Layer w0.12: U1.28 -1.321,-10.013 -0.922,-10.412 v1(-0.381,-10.412)
  Bottom Layer w0.102: v1(-19.624,-3.381) -19.638,-3.381 -19.933,-3.676 -20.527,-3.676 -20.744,-3.459 -20.744,-0.805 -20.531,-0.592 -18.311,-0.592 -17.483,-1.42 -17.483,-3.753 -17.483,-7.432 -12.471,-12.443 -10.273,-12.443 -9.049,-11.219 -1.552,-11.219 -0.758,-10.425 -0.394,-10.425 v1(-0.381,-10.412)
MAG4_INT: CN1.15 U1.45 | length 13.5
  Top Layer w0.102: CN1.15 -16.397,-4.337 v1(-16.032,-3.972)
  Top Layer w0.12: U1.45 -6.33,-4.417 v1(-6.034,-4.122)
  Bottom Layer w0.102: v1(-16.032,-3.972) -15.266,-3.972 -14.882,-4.356 -14.39,-4.356 -13.209,-3.175 -6.981,-3.175 v1(-6.034,-4.122)
MAG4_TRIG: CN1.16 U1.29 | length 37.2
  Top Layer w0.102: v1(-20.265,-4.313) -19.812,-3.86 -19.309,-3.86 -18.881,-4.288 -18.667,-4.288 CN1.16
  Top Layer w0.12: U1.29 -0.82,-9.512 -0.558,-9.774 v1(-0.509,-9.774)
  Bottom Layer w0.12: v1(-20.265,-4.313) -20.972,-3.606 -20.972,-1.491 -20.972,-0.711 -20.625,-0.364 -18.217,-0.364 -17.255,-1.326 -17.255,-7.337 -12.377,-12.216 -10.368,-12.216 -9.143,-10.991 -1.726,-10.991 v1(-0.509,-9.774)
MAG5_INT: CN1.17 U1.18 | length 21
  Top Layer w0.102: CN1.17 -16.438,-4.737 -16.199,-4.498 -14.662,-4.498 -14.468,-4.692 -14.11,-4.692 v1(-14.065,-4.737) ; U1.18 -5.329,-13.05 -5.08,-13.299 v1(-5.08,-13.335)
  Layer 2 w0.102: v1(-14.065,-4.737) -14.065,-4.812 -14.224,-4.971 -14.224,-10.668 -12.446,-12.446 -10.922,-12.446 -9.522,-13.846 -5.68,-13.846 -5.169,-13.335 v1(-5.08,-13.335)
MAG5_TRIG: CN1.18 U1.30 | length 38.7
  Top Layer w0.12: v1(-19.558,-4.361) -19.543,-4.361 -19.167,-4.737 CN1.18 ; U1.30 -0.821,-9.012 -0.754,-9.079 -0.42,-9.079 v1(-0.356,-9.143)
  Bottom Layer w0.12: v1(-19.558,-4.361) -19.558,-4.38 -20.001,-4.823 -20.476,-4.823 -21.209,-4.09 -21.209,-1.393 -21.209,-0.613 -20.723,-0.127 -18.119,-0.127 -17.018,-1.228 -17.018,-7.239 -12.278,-11.979 -10.466,-11.979 -9.241,-10.754 -2.245,-10.754 -0.661,-9.17 -0.384,-9.17 v1(-0.356,-9.143)
MAG6_INT: CN1.19 U1.19 | length 22.1
  Top Layer w0.102: CN1.19 -16.969,-5.088 -16.21,-5.088 -16.096,-4.974 v1(-16.002,-4.974)
  Top Layer w0.12: U1.19 -4.831,-12.522 -4.384,-12.97 -4.384,-13.269 v1(-4.321,-13.332)
  Layer 2 w0.12: v1(-16.002,-4.974) -15.939,-4.911 -15.939,-4.759 -15.625,-4.445 -14.914,-4.445 -14.55,-4.809 -14.55,-7.749 -14.452,-7.847 -14.452,-10.788 -12.566,-12.674 -11.016,-12.674 -9.616,-14.074 -5.057,-14.074 -4.321,-13.338 v1(-4.321,-13.332)
MAG6_TRIG: CN1.20 U1.39 | length 25.7
  Top Layer w0.102: v1(-20.258,-5.334) -19.804,-4.88 -19.346,-4.88 -19.089,-5.137 CN1.20
  Top Layer w0.12: U1.39 -3.33,-4.583 -2.974,-4.227 v1(-2.974,-4.191)
  Layer 2 w0.12: v1(-20.258,-5.334) -19.795,-4.871 -19.043,-4.871 -18.77,-4.598 -18.77,-2.372 -16.96,-0.563 -13.534,-0.563 -11.488,-2.609 -3.908,-2.609 -2.974,-3.544 v1(-2.974,-4.191)
MAG7_INT: CN1.21 U1.2 | length 10.3
  Top Layer w0.12: CN1.21 -15.683,-5.537 -15.12,-4.974 v1(-15.113,-4.974) ; v1(-9.398,-4.826) -9.398,-5.954 -8.839,-6.513 U1.2
  Bottom Layer w0.12: v1(-15.113,-4.974) -14.568,-4.974 -14.32,-5.222 -9.794,-5.222 v1(-9.398,-4.826)
MAG7_TRIG: CN1.22 U1.40 | length 23.2
  Top Layer w0.102: v1(-19.553,-5.381) -19.468,-5.381 -19.312,-5.537 CN1.22
  Top Layer w0.12: v1(-4.064,-3.175) -3.484,-3.755 -3.484,-4.402 -3.83,-4.748 U1.40
  Layer 2 w0.102: v1(-19.553,-5.381) -19.477,-5.305 -19.155,-5.305 -18.542,-4.692 -18.542,-2.54 -16.792,-0.79 -13.629,-0.79 -11.582,-2.837 -4.402,-2.837 v1(-4.064,-3.175)
NetC7_2: C7.2 U1.5 X1.3 | length 7.8
  Top Layer w0.12: C7.2 -11.333,-3.796 -11.333,-4.031 -12.241,-4.939 X1.3 -12.241,-5.139 -11.701,-5.679 -11.601,-5.679 -11.057,-6.223 -9.779,-6.223 -9.398,-6.604 -9.398,-7.747 -9.131,-8.014 ; U1.5@-8.929,-8.014 -9.131,-8.014 ; U1.5 -9.131,-8.014
NetC8_2: C8.2 U2.4 | length 1.7
  Top Layer w0.2: U2.4 -1.883,-18.857 C8.2
NetC9_2: C9.2 U1.6 X1.1 | length 3.8
  Top Layer w0.12: C9.2 -10.878,-8.865 -10.638,-8.625 -10.613,-8.625 -10.502,-8.514 ; X1.1 -10.541,-8.514 -10.502,-8.514 ; U1.6 -10.502,-8.514
NetD1_A: D1.A R4.2 | length 1.7
  Top Layer w0.12: R4.2 -14.224,-9.017 D1.A
NRST: C15.1 R1.2 SW1.3 U1.7 | length 23.3
  Top Layer w0.12: v1(-10.033,-9.017) -9.944,-9.017 -9.849,-8.922 -9.312,-8.922 -9.222,-9.012 U1.7 ; v1(-2.794,-21.336) -1.64,-21.336 SW1.3
  Top Layer w0.2: R1.2 C15.1 -1.876,-20.266 -1.876,-21.1 SW1.3@-1.64,-21.336
  Layer 1 w0.12: v1(-10.033,-9.017) -10.67,-9.654 -10.67,-12.058 -8.504,-14.224 -6.989,-14.224 -5.463,-15.75 -5.463,-20.572 -4.699,-21.336 v1(-2.794,-21.336)
SWCLK: P1.3 U1.37 | length 6.8
  Top Layer w0.12: P1.3 -5.384,-2.617 -3.826,-2.617 -2.329,-4.115 U1.37
SWDIO: P1.2 U1.36 | length 6.4
  Top Layer w0.12: P1.2 -3.971,-1.49 -3.971,-2.125 -1.143,-4.953 -1.143,-5.791 -1.364,-6.012 U1.36
USART1_RXD: U1.32 U3.8 | length 26.1
  Top Layer w0.12: U3.8 -14.434,-12.065 -13.352,-13.147 -13.352,-14.003 v1(-13.789,-14.439) ; U1.32 -0.711,-8.014 -0.567,-7.87 v1(-0.477,-7.87)
  Layer 2 w0.12: v1(-13.789,-14.439) -12.988,-15.24 -1.905,-15.24 -1.253,-14.588 -1.253,-12.036 -1.761,-11.528 -1.761,-8.907 -0.787,-7.933 -0.54,-7.933 v1(-0.477,-7.87)
USART1_TXD: U1.31 U3.9 | length 25.8
  Top Layer w0.12: U3.9 -15.548,-12.589 -14.246,-12.589 -13.589,-13.246 -13.589,-13.554 -14.274,-14.238 -14.274,-14.873 v1(-14.257,-14.89) ; U1.31 -1.625,-8.508 -0.641,-8.508 v1(-0.635,-8.502)
  Layer 2 w0.12: v1(-14.257,-14.89) -14.193,-14.89 -13.589,-15.494 -1.824,-15.494 -1.016,-14.686 -1.016,-11.938 -1.524,-11.43 -1.524,-9.292 -0.851,-8.619 -0.841,-8.619 -0.724,-8.502 v1(-0.635,-8.502)
USART2_RXD: TP1.1 U1.11 | length 26.1
  Top Layer w0.102: v1(-12.643,-9.756) -12.144,-10.255 -10.761,-10.255 -10.033,-10.983 -10.033,-10.989 -8.554,-10.989 U1.11
  Layer 1 w0.102: v1(-12.643,-9.756) -12.643,-10.716 -8.689,-14.67 -7.174,-14.67 -6.477,-15.367 -6.477,-20.701 v1(-6.223,-20.955)
  Bottom Layer w0.102: v1(-6.223,-20.955) -4.734,-19.466 -4.734,-18.831 -3.81,-17.907 -3.81,-17.018 TP1.1
USART2_TXD: TP2.1 U1.10 | length 20.3
  Top Layer w0.102: v1(-11.923,-9.779) -10.928,-9.779 -10.194,-10.513 U1.10
  Layer 1 w0.102: v1(-11.923,-9.779) -12.192,-10.048 -12.192,-10.858 -8.598,-14.452 -7.083,-14.452 -6.001,-15.534 v1(-6.001,-19.812)
  Bottom Layer w0.102: v1(-6.001,-19.812) -4.953,-18.764 TP2.1
USB_DN: U3.2 USBC1.A7 USBC1.B7 | length 9.3
  Top Layer w0.12: v1(-12.831,-17.78) -12.815,-17.764 USBC1.B7 ; v1(-11.811,-17.78) -11.813,-17.778 -11.813,-16.314 USBC1.A7 -11.815,-15.363 -12.827,-14.351 -12.827,-13.081 -12.311,-12.565 U3.2
  Bottom Layer w0.12: v1(-12.831,-17.78) v1(-11.811,-17.78)
USB_DP: U3.1 USBC1.A6 USBC1.B6 | length 10.2
  Top Layer w0.12: v1(-12.319,-18.542) -12.319,-18.415 -12.321,-18.413 -12.321,-17.45 -12.315,-17.444 USBC1.A6 ; U3.1 -12.303,-13.065 -12.446,-13.208 -12.446,-14.224 -11.315,-15.355 USBC1.B6 -11.301,-16.326 -11.301,-18.54 v1(-11.303,-18.542)
  Bottom Layer w0.12: v1(-12.319,-18.542) v1(-11.303,-18.542)
VBUS: C4.2 C5.2 C6.2 U2.1 U2.3 U3.7 USBC1.A4 USBC1.A9 USBC1.B4 USBC1.B9 | length 32.8
  Top Layer w0.2: U3.7 -15.587,-11.58 -16.533,-11.58 -16.891,-11.938 -16.891,-14.859 -16.51,-15.24 -14.732,-15.24 -14.615,-15.357 USBC1.A4 ; v1(-14.351,-19.558) -14.315,-19.522 USBC1.B9 ; C6.2 -9.815,-14.585 USBC1.B4@-9.815,-16.279 ; v1(-10.033,-19.558) -10.033,-19.477 -9.815,-19.259 USBC1.B4 USBC1.B4@-9.815,-16.279 ; U2.3 -4.887,-18.857 -4.572,-18.542 -4.572,-17.145 -4.76,-16.957 U2.1 ; C4.2 -3.756,-15.128 -4.684,-15.128 -4.699,-15.113 -4.708,-15.113 -5.445,-14.376 C5.2 -5.715,-14.621 -5.715,-14.986 -5.969,-15.24 -9.348,-15.24 -9.465,-15.357 -9.465,-16.129 -9.565,-16.229 -9.765,-16.229 USBC1.B4@-9.815,-16.279
  Bottom Layer w0.2: v1(-14.351,-19.558) v1(-10.033,-19.558)
VCC_3V3: C1.2 C2.2 C3.2 C10.1 C11.1 C12.1 C13.1 C14.1 CN1.2 CN1.4 P1.1 R1.1 R2.2 R4.1 TP3.1 U1.1 U1.23 U1.35 U1.48 U2.5 U3.10 | length 86.1
  Top Layer w0.12: R1.1 -4.025,-20.041 -4.318,-19.748 -4.318,-19.2 -4.199,-19.081 -4.199,-18.169 -3.585,-17.555 -3.204,-17.555 v3(-3.175,-17.526)
  Top Layer w0.2: -19.098,-1.598 -18.758,-1.937 CN1.4 ; CN1.2 -19.504,-1.537 -19.778,-1.812 -20.584,-1.812 -20.701,-1.695 -20.701,-0.508 -20.539,-0.346 -15.899,-0.346 -15.273,-0.972 C10.1 -14.014,-0.889 v2(-11.684,-0.889) -11.134,-1.439 -10.977,-1.439 -10.932,-1.484 -10.932,-1.514 -9.652,-2.794 -9.652,-3.664 -9.535,-3.781 -9.217,-3.781 C13.1 ; U3.10 -16.226,-13.065 -16.383,-13.222 -16.383,-14.009 -16.266,-14.126 -16.246,-14.126 -16.046,-14.326 C14.1 -15.89,-14.195 -15.89,-13.801 -15.679,-13.59 v2(-14.352,-13.59) ; R4.1 -14.224,-5.974 -13.458,-5.208 v2(-13.458,-4.443) ; U1.1 -8.837,-6.012 -8.994,-5.855 -8.994,-5.438 -8.792,-5.236 -8.792,-4.181 -8.992,-3.981 C12.1 -7.831,-4.151 U1.48 ; U1.23 -2.826,-12.216 -2.826,-12.779 -2.438,-13.167 -2.328,-13.167 -1.813,-13.682 -1.813,-13.739 -1.48,-14.072 R2.2 -0.841,-14.097 -0.587,-13.843 v2(-0.506,-13.843) ; P1.1 -1.651,-3.918 -1.534,-4.035 -0.962,-4.035 C11.1 -0.737,-4.235 -0.537,-4.435 -0.537,-4.46 -0.381,-4.616 -0.381,-5.608 -0.826,-6.052 -0.856,-6.052 -1.316,-6.513 U1.35
  Layer 1 w0.3: v2(-14.352,-13.59) -15.113,-12.83 -15.113,-11.811 -13.49,-10.188 v2@-13.49,-4.443 ; v2(-13.458,-4.443) -11.745,-4.443 -11.473,-4.171 v2(-11.473,-1.421) ; v2(-10.838,-1.421) -9.846,-2.413 -2.794,-2.413 P1.1 -1.397,-1.524 -1.397,-11.811 -1.082,-12.126 -1.082,-13.217 -0.506,-13.793 v2(-0.506,-13.843)
  Bottom Layer w0.2: TP3.1 -4.445,-19.304 -3.542,-18.401 -3.542,-18.001 -3.175,-17.634 v3(-3.175,-17.526)
  other v2: -11.049,-0.889
  other v3: -2.413,-17.526
VDDA: R2.1 U1.20 U1.21 | length 4.1
  Top Layer w0.12: U1.20 -4.331,-12.522 -3.899,-12.954 -3.83,-12.954 ; U1.21 -3.83,-12.954 ; R2.1 -2.831,-14.097 -3.083,-13.845 -3.681,-13.845 -3.808,-13.718 -3.808,-12.976 -3.83,-12.954
pads on no net: SW1. U1.3 U1.4 U1.38 U1.47 U3.4 U3.5 U3.6 USBC1. USBC1.A5 USBC1.A8 USBC1.B5 USBC1.B8 X1.2 X1.4

## Polygon pours and split planes (outlines as drawn)
GND on Bottom Layer "GND_L04_P000" (solid, remove dead copper, pour order 0): -21.463,-9.652 -21.082,-10.033 -17.653,-10.033 -17.653,-10.16 -17.399,-10.414 -17.399,-23.749 -17.145,-24.003 -0.127,-24.003 0,-23.876 0,-0.508 -0.508,0 -21.463,0
GND on Layer 1 "GND_L02_P001" (solid, remove dead copper, pour order 1): -21.463,-9.652 -21.082,-10.033 -17.653,-10.033 -17.653,-10.16 -17.399,-10.414 -17.399,-23.749 -17.145,-24.003 -0.127,-24.003 0,-23.876 0,-0.508 -0.508,0 -21.463,0
GND on Top Layer "GND_L01_P002" (solid, remove dead copper, pour order 2): -21.463,-9.652 -21.082,-10.033 -17.653,-10.033 -17.653,-10.16 -17.399,-10.414 -17.399,-23.749 -17.145,-24.003 -0.127,-24.003 0,-23.876 0,-0.508 -0.508,0 -21.463,0

## Other copper
Top Layer:
  region net VCC_3V3: -14.351,-1.27 -14.351,-0.635 -14.097,-0.381 -10.668,-0.381 -10.668,-1.651 -10.795,-1.778 -13.208,-1.778 -13.716,-1.27
  region net VCC_3V3: -4.064,-17.272 -3.175,-18.161 -2.032,-18.161 -2.032,-17.399 -2.286,-17.145
  region net VCC_3V3: -4.064,-17.272 -4.064,-16.256 -3.937,-16.129 -0.127,-16.129 -0.127,-17.145 -1.397,-17.145 -1.524,-17.272 -1.524,-18.161 -2.286,-18.161 -3.175,-17.272 -3.429,-17.272
  region net VBUS: -5.969,-13.843 -5.969,-16.129 -6.35,-16.51 -6.35,-17.272 -5.08,-17.272 -5.08,-16.383 -4.572,-15.875 -3.175,-15.875 -3.175,-14.986 -4.572,-14.986 -4.953,-14.605 -4.953,-13.843
Layer 1:
  region net VCC_3V3: -12.065,-0.635 -12.065,-1.651 -11.557,-2.159 -10.287,-2.159 -10.287,-1.143 -10.795,-0.635
  region net VCC_3V3: -0.889,-13.589 -0.889,-16.002 -2.032,-17.145 -3.429,-17.145 -3.683,-17.399 -3.683,-17.78 -3.429,-18.034 -1.27,-18.034 -0.127,-16.891 -0.127,-13.589

## Silkscreen, mask and mechanical layers (free items; w line width, h text height)
Top Overlay:
  rectangle: -10.668,-2.921 -8.382,-2.54
  text "clk" at -5.486,-4.166 h0.89 r90
  text "v+" at -1.295,-4.166 h0.89 r90
  text "dio" at -3.073,-4.293 h0.89 r90
Bottom Overlay:
  lines w0.254: -15.621,-23.368 -8.509,-23.368 -8.509,-19.939 -15.621,-19.939 -15.621,-23.368
  text "Rx" at -3.835,-15.85 h0.89
  text "Tx" at -5.972,-19.124 h0.89
  text "gnd" at -0.533,-21.142 h0.89
  text "finger proc" at -8.745,-21.205 h0.89
  text "ultralyj 3/5" at -8.788,-22.666 h0.89
  text "3V3" at -4.956,-23.188 h0.89
Mechanical 1:
  the board outline again, w0.013